# KiCad board chassis v2 primary board.kicad_pcb
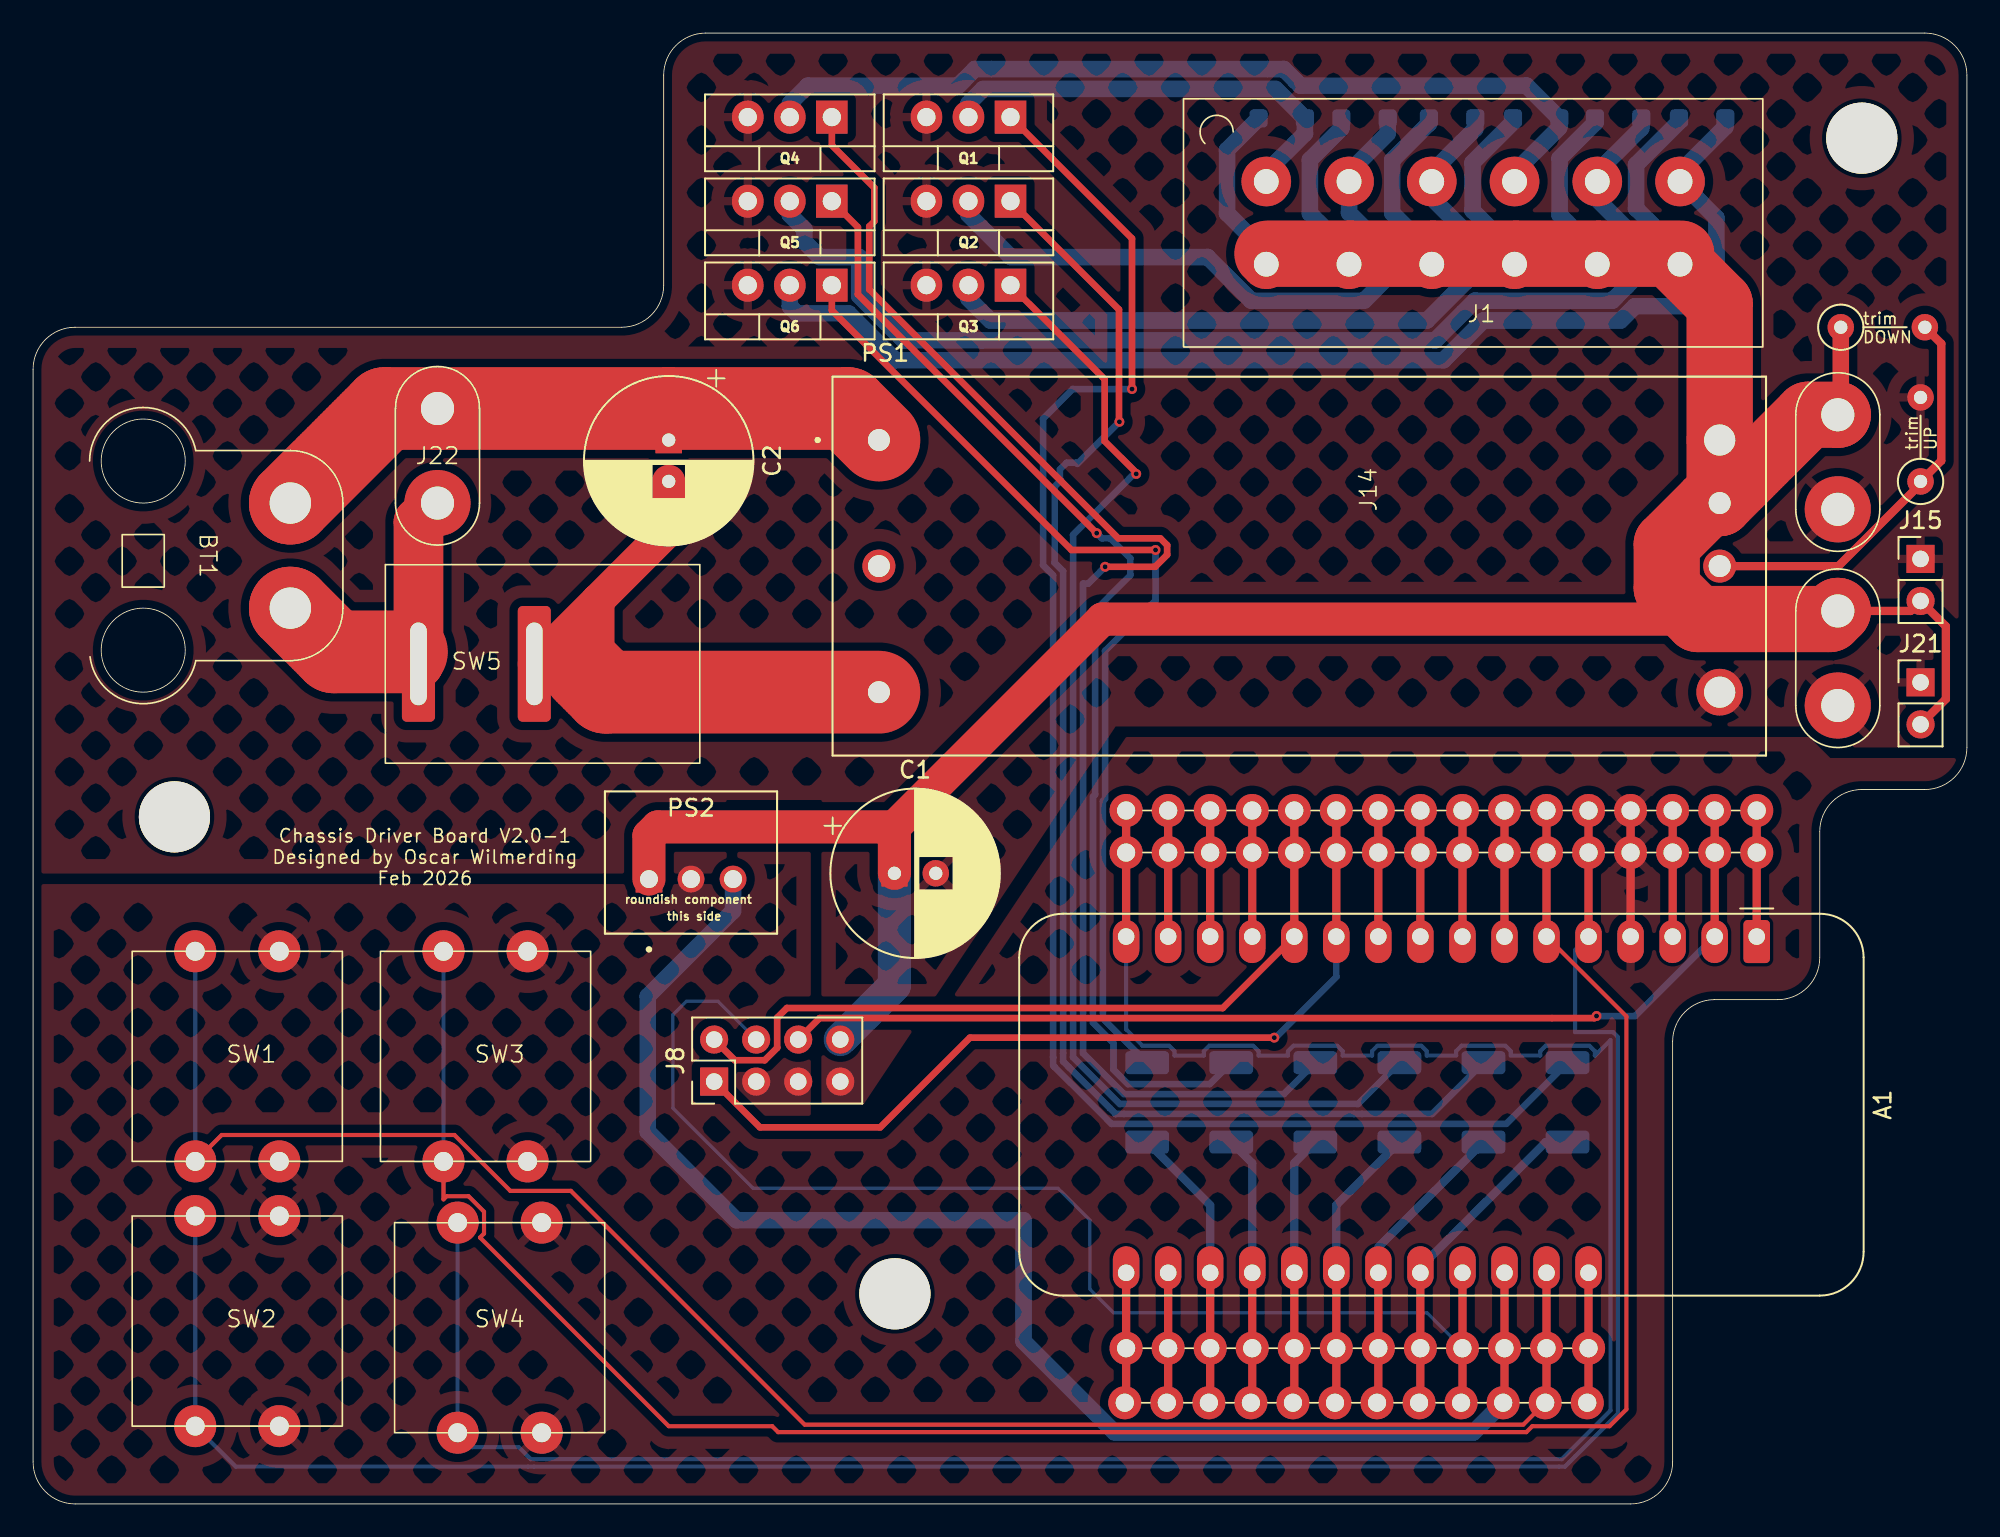
[diagram p0: board, top side]
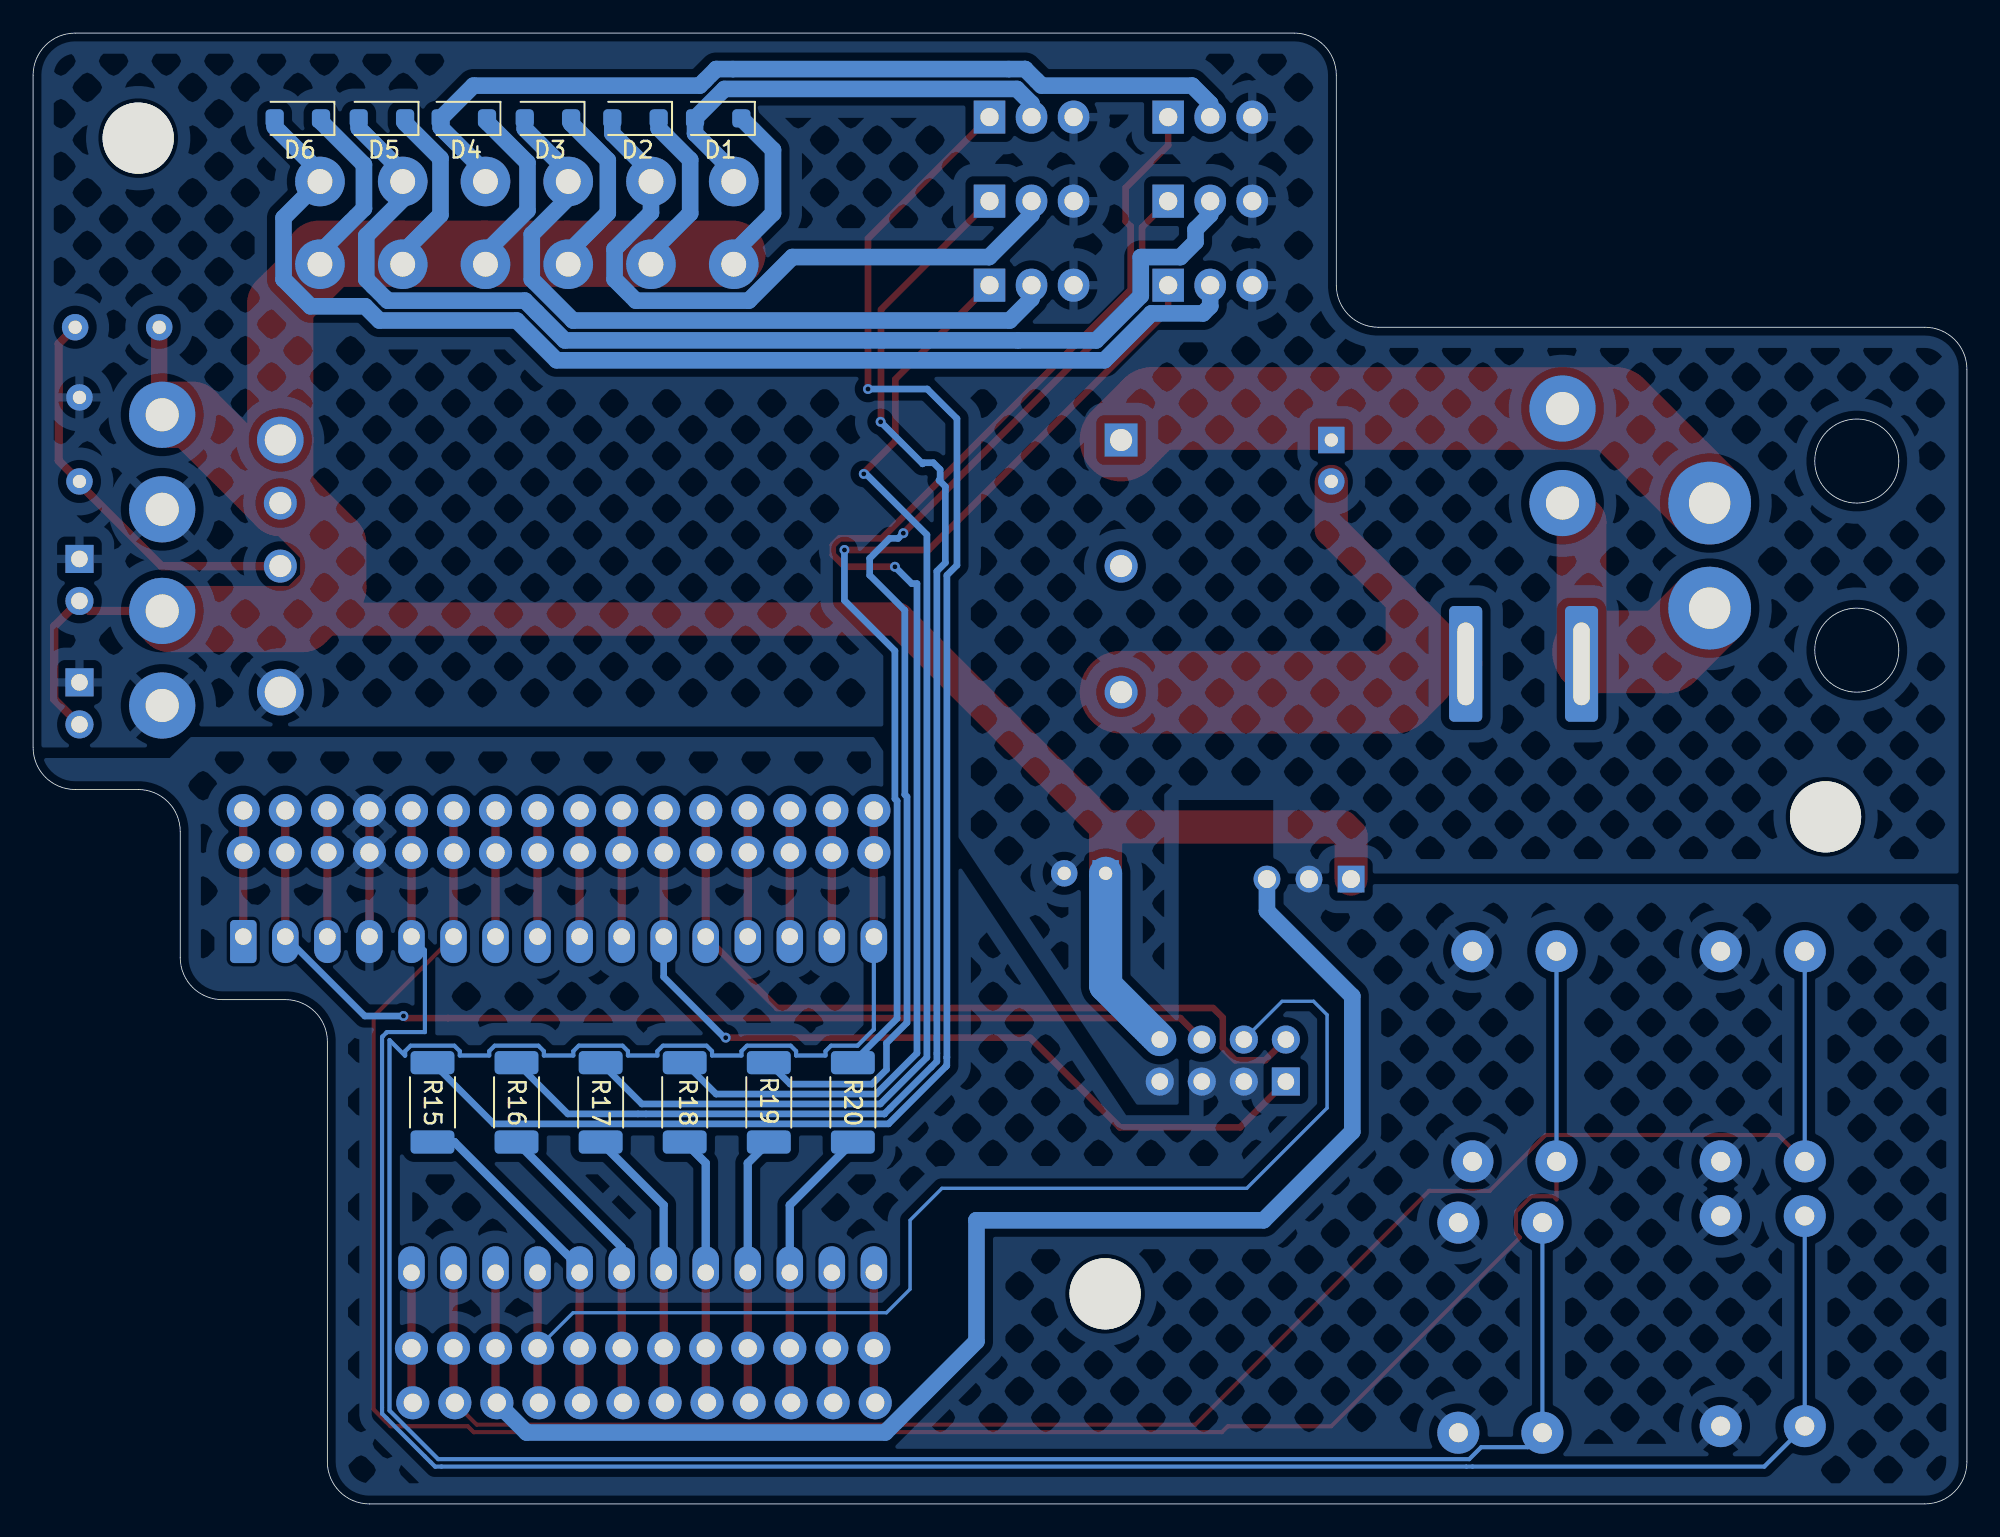
[diagram p1: board, bottom side, seen from below]

Outline 116.84 x 88.9 mm; copper layers: Top, Bottom. Coordinates in mm from the lower left corner of the outline.
Outline path: 0,68.58 0,2.54 arc(0.74,0.74) 2.54,0 96.52,0 arc(98.32,0.74) 99.06,2.54 99.06,27.94 arc(99.8,29.74) 101.6,30.48 105.41,30.48 arc(107.21,31.22) 107.95,33.02 107.95,40.64 arc(108.69,42.44) 110.49,43.18 114.3,43.18 arc(116.1,43.92) 116.84,45.72 116.84,86.36 arc(116.1,88.16) 114.3,88.9 40.64,88.9 arc(38.84,88.16) 38.1,86.36 38.1,73.66 arc(37.36,71.86) 35.56,71.12 2.54,71.12 arc(0.74,70.38) 0,68.58

## Placement (name value [footprint] x y rotation side)
A1  Adafruit_Feather_Generic  [Adafruit_Feather_new]  104.14 34.29 270 top
BT1  Battery_Cell  [Battery pigtail]  22.53 57.32 270 top
C1  470uf  [CP_Radial_D10.0mm_P2.50mm]  52.04 38.12 0 top
C2  470uf  [CP_Radial_D10.0mm_P2.50mm]  38.4 64.3 270 top
D1  D  [D_SOD-123F]  75.44 83.75 0 bottom
D2  D  [D_SOD-123F]  80.44 83.75 0 bottom
D3  D  [D_SOD-123F]  85.73 83.75 0 bottom
D4  D  [D_SOD-123F]  90.81 83.75 0 bottom
D5  D  [D_SOD-123F]  95.76 83.75 0 bottom
D6  D  [D_SOD-123F]  100.84 83.75 0 bottom
G***  LOGO  [fireman]  191.16 57.79 270 bottom
H1  MountingHole  [MountingHole_4.3mm_M4]  52.07 12.7 0 top
H2  MountingHole  [MountingHole_4.3mm_M4]  8.54 41.53 0 top
H4  MountingHole  [MountingHole_4.3mm_M4]  110.49 82.55 0 top
J1  Conn_02x06_Odd_Even  [02x06 top mount connector]  74.51 84.93 0 top
J8  Conn_02x04_Odd_Even  [PinHeader_2x04_P2.54mm_Vertical]  41.15 25.53 90 top
J14  Conn_01x02  [alternate battery connection]  102.06 51.43 90 top
J15  Conn_01x02  [PinHeader_1x02_P2.54mm_Vertical]  114.04 57.12 0 top
J16  microcontroller extension headers  [thing pin breakout 1x16]  60.96 39.37 90 top
J17  Microcontroller extension header  [thing breakout 1x12]  61.47 9.66 90 top
J18  Conn_01x02  [alternate battery connection]  102.06 63.29 90 top
J19  microcontroller extension headers  [thing pin breakout 1x16]  60.96 41.91 90 top
J20  Microcontroller extension header  [thing breakout 1x12]  61.39 6.37 90 top
J21  Conn_01x02  [PinHeader_1x02_P2.54mm_Vertical]  114.04 49.66 0 top
J22  Conn_01x02  [alternate battery connection]  31.42 63.03 270 top
PS1  RPMGE12-10  [CONV_RPMGE12-10]  76.5 56.68 0 top
PS2  OKI-78SR-5_1.5-W36-C  [CONV_OKI-78SR-5_1.5-W36-C]  39.75 37.77 0 top
Q1  NMOS  [TO-220-3_Vertical modified]  59.06 83.82 180 top
Q2  NMOS  [TO-220-3_Vertical modified]  59.06 78.74 180 top
Q3  NMOS  [TO-220-3_Vertical modified]  59.06 73.66 180 top
Q4  NMOS  [TO-220-3_Vertical modified]  48.26 83.82 180 top
Q5  NMOS  [TO-220-3_Vertical modified]  48.26 78.74 180 top
Q6  NMOS  [TO-220-3_Vertical modified]  48.26 73.66 180 top
R14  R  [R_Axial_DIN0207_L6.3mm_D2.5mm_P5.08mm_Vertical]  114.04 61.8 90 top
R15  220  [R_2010_5025Metric_Pad1.40x2.65mm_HandSolder]  92.71 24.27 270 bottom
R16  220  [R_2010_5025Metric_Pad1.40x2.65mm_HandSolder]  87.63 24.27 270 bottom
R17  220  [R_2010_5025Metric_Pad1.40x2.65mm_HandSolder]  82.55 24.27 270 bottom
R18  220  [R_2010_5025Metric_Pad1.40x2.65mm_HandSolder]  77.47 24.27 270 bottom
R19  220  [R_2010_5025Metric_Pad1.40x2.65mm_HandSolder]  72.39 24.27 270 bottom
R20  220  [R_2010_5025Metric_Pad1.40x2.65mm_HandSolder]  67.31 24.27 270 bottom
R21  R  [R_Axial_DIN0207_L6.3mm_D2.5mm_P5.08mm_Vertical]  109.22 71.12 0 top
SW1  SW_Push  [adafruit colorful button]  12.34 41.02 0 top
SW2  SW_Push  [adafruit colorful button]  12.34 25.02 0 top
SW3  SW_Push  [adafruit colorful button]  27.34 41.02 0 top
SW4  SW_Push  [adafruit colorful button]  28.19 24.62 0 top
SW5  SW_Push  [strong switch]  28.28 60.77 0 top

## Library data of the parts
A1 = -: Datasheet: https://cdn-learn.adafruit.com/downloads/pdf/adafruit-feather.pdf; Description: Microcontroller module in various flavor, generic symbol; ki_fp_filters: Adafruit*Feather*
BT1 = -: Description: Single-cell battery
C1 C2 = -: Description: Unpolarized capacitor; ki_fp_filters: C_*
D1-D6 = -: Description: Diode; Sim.Pins: 1=K 2=A; ki_fp_filters: TO-???* *_Diode_* *SingleDiode* D_*
H1 H2 H4 = -: Description: Mounting Hole without connection; ki_fp_filters: MountingHole*
J1 = -: Description: Generic connector, double row, 02x06, odd/even pin numbering scheme (row 1 odd numbers, row 2 even numbers), script generated (kicad-library-utils/schlib/autogen/connector/); ki_fp_filters: Connector*:*_2x??_*
J8 = -: Description: Generic connector, double row, 02x04, odd/even pin numbering scheme (row 1 odd numbers, row 2 even numbers), script generated (kicad-library-utils/schlib/autogen/connector/); ki_fp_filters: Connector*:*_2x??_*
J14 J15 J18 J21 J22 = -: Description: Generic connector, single row, 01x02, script generated (kicad-library-utils/schlib/autogen/connector/); ki_fp_filters: Connector*:*_1x??_*
J16 J19 = -: Description: Generic connector, single row, 01x16, script generated; ki_fp_filters: Connector*:*_1x??_*
J17 J20 = -: Description: Generic connector, single row, 01x12, script generated; ki_fp_filters: Connector*:*_1x??_*
PS1 = -: MF: Recom Power; MAXIMUM_PACKAGE_HEIGHT: 12.5mm; Package: None; Price: None; Check_prices: https://www.snapeda.com/parts/RPMGE12-10/Recom+Power/view-part/?ref=eda; STANDARD: Manufacturer Recommendations; PARTREV: PRELIMINARY; SnapEDA_Link: https://www.snapeda.com/parts/RPMGE12-10/Recom+Power/view-part/?ref=snap; Description_1: 10A DC/DC-Converter 'INNOLINE' 1/8 Brick OF reg; Availability: In Stock; MANUFACTURER: Recom Power
PS2 = -: MF: Murata Power Solutions; MAXIMUM_PACKAGE_HEIGHT: 16.5mm; CREATOR: NEZY; Price: None; Package: None; Check_prices: https://www.snapeda.com/parts/OKI-78SR-5/1.5-W36-C/Murata/view-part/?ref=eda; STANDARD: Manufacturer Recommendations; PARTREV: N/A; SnapEDA_Link: https://www.snapeda.com/parts/OKI-78SR-5/1.5-W36-C/Murata/view-part/?ref=snap; MP: OKI-78SR-5/1.5-W36-C; Description_1: Linear Regulator Replacement DC DC Converter 1 Output 5V - - - 1.5A 7V - 36V Input; Availability: In Stock; MANUFACTURER: Murata Power Solutions Inc.
Q1-Q6 = -: Datasheet: https://ngspice.sourceforge.io/docs/ngspice-html-manual/manual.xhtml#cha_MOSFETs; Description: N-MOSFET transistor, drain/source/gate; Sim.Type: VDMOS; Sim.Pins: 1=D 2=G 3=S
R14-R21 = -: Description: Resistor; ki_fp_filters: R_*
SW1-SW5 = -: Description: Push button switch, generic, two pins

## Footprints (pads in the part's own frame, mm; a bottom-side part is the same pattern mirrored in y, then rotated)
02x06 top mount connector
  round 3 hole 1.5: 1(0,-5) 2(0,-10) 3(5,-5) 4(5,-10) 5(10,-5) 6(10,-10) 7(15,-5) 8(15,-10) 9(20,-5) 10(20,-10) 11(25,-5) 12(25,-10)
adafruit colorful button
  round 2.54 hole 1.15: 1(-2.54,-7.62) 1(-2.54,-20.32) 2(2.54,-7.62) 2(2.54,-20.32)
Adafruit_Feather_new
  rrect 2.6x1.6 hole 1: 1(0,0)
  oval 2.6x1.6 hole 1: 2(0,-2.54) 3(0,-5.08) 4(0,-7.62) 5(0,-10.16) 6(0,-12.7) 7(0,-15.24) 8(0,-17.78) 9(0,-20.32) 10(0,-22.86) 11(0,-25.4) 12(0,-27.94) 13(0,-30.48) 14(0,-33.02) 15(0,-35.56) 16(0,-38.1) 17(20.32,-38.1) 18(20.32,-35.56) 19(20.32,-33.02) 20(20.32,-30.48) 21(20.32,-27.94) 22(20.32,-25.4) 23(20.32,-22.86) 24(20.32,-20.32) 25(20.32,-17.78) 26(20.32,-15.24) 27(20.32,-12.7) 28(20.32,-10.16)
alternate battery connection
  round 4 hole 2: 1(-3.175,-6.985) 2(2.54,-6.985)
Battery pigtail
  round 5 hole 2.5: 1(-3.175,-6.985) 2(3.175,-6.985)
CONV_OKI-78SR-5_1.5-W36-C
  rect 1.62x1.62 hole 1.08: 1(-2.54,0)
  round 1.62 hole 1.08: 2(0,0) 3(2.54,0)
CONV_RPMGE12-10
  rect 1.995x1.995 hole 1.33: 1(-25.4,7.62)
  round 1.995 hole 1.33: 2(-25.4,0) 3(-25.4,-7.62) 5(25.4,0) 6(25.4,3.81)
  round 2.82 hole 1.88: 4(25.4,-7.62) 7(25.4,7.62)
CP_Radial_D10.0mm_P2.50mm
  rect 1.6x1.6 hole 0.8: 1(0,0)
  round 1.6 hole 0.8: 2(2.5,0)
D_SOD-123F
  rrect 1.1x1.1 smd: 1(-1.4,0) 2(1.4,0)
MountingHole_4.3mm_M4
  round 4.3 hole 4.3 unplated: (0,0)
PinHeader_1x02_P2.54mm_Vertical
  rect 1.7x1.7 hole 1: 1(0,0)
  oval 1.7x1.7 hole 1: 2(0,-2.54)
PinHeader_2x04_P2.54mm_Vertical
  rect 1.7x1.7 hole 1: 1(0,0)
  oval 1.7x1.7 hole 1: 2(2.54,0) 3(0,-2.54) 4(2.54,-2.54) 5(0,-5.08) 6(2.54,-5.08) 7(0,-7.62) 8(2.54,-7.62)
R_2010_5025Metric_Pad1.40x2.65mm_HandSolder
  rrect 1.4x2.65 smd: 1(-2.4,0) 2(2.4,0)
R_Axial_DIN0207_L6.3mm_D2.5mm_P5.08mm_Vertical
  round 1.6 hole 0.8: 1(0,0)
  oval 1.6x1.6 hole 0.8: 2(5.08,0)
strong switch
  rrect 2x7 hole 1x5: 1(-5,-10) 2(2,-10)
thing breakout 1x12
  round 2 hole 1.1: 17(-0.254,-4.572) 18(-0.254,-7.112) 19(-0.254,-9.652) 20(-0.254,-12.192) 21(-0.254,-14.732) 22(-0.254,-17.272) 23(-0.254,-19.812) 24(-0.254,-22.352) 25(-0.254,-24.892) 26(-0.254,-27.432) 27(-0.254,-29.972) 28(-0.254,-32.512)
thing pin breakout 1x16
  round 2 hole 1.1: 1(0,-43.18) 2(0,-40.64) 3(0,-38.1) 4(0,-35.56) 5(0,-33.02) 6(0,-30.48) 7(0,-27.94) 8(0,-25.4) 9(0,-22.86) 10(0,-20.32) 11(0,-17.78) 12(0,-15.24) 13(0,-12.7) 14(0,-10.16) 15(0,-7.62) 16(0,-5.08)
TO-220-3_Vertical modified
  rect 1.905x2 hole 1.1: 1(0,0)
  oval 1.905x2 hole 1.1: 2(2.54,0) 3(5.08,0)

## Nets
+12V: C1.1 D1.1 D2.1 D3.1 D4.1 D5.1 D6.1 J1.2 J1.4 J1.6 J1.8 J1.10 J1.12 J8.8 J14.2 J15.2 J18.2 J21.2 PS1.6 PS1.7 PS2.1 R21.1
GND: A1.4 C1.2 J8.3 J8.5 J8.7 J14.1 J15.1 J16.4 J18.1 J19.4 J21.1 PS1.4 PS2.2 Q1.3 Q2.3 Q3.3 Q4.3 Q5.3 Q6.3 R14.2 SW1.2 SW2.2 SW3.2 SW4.2
HV 1: A1.24 J17.24 J20.24 R15.2
HV 2: A1.23 J17.23 J20.23 R16.2
HV 3: A1.22 J17.22 J20.22 R17.2
HV 4: A1.21 J17.21 J20.21 R18.2
HV 5: A1.20 J17.20 J20.20 R19.2
HV 6: A1.19 J17.19 J20.19 R20.2
p1: A1.1 J16.1 J19.1
p2: A1.2 J8.6 J16.2 J19.2
p3: A1.3 J16.3 J19.3
p5: A1.5 J16.5 J19.5 SW2.1
p6: A1.6 J16.6 J19.6 SW3.1
p7: A1.7 J16.7 J19.7
p8: A1.8 J16.8 J19.8
p9: A1.9 J16.9 J19.9
p10: A1.10 J16.10 J19.10
p11: A1.11 J8.1 J16.11 J19.11
p12: A1.12 J8.2 J16.12 J19.12
p13: A1.13 J16.13 J19.13
p14: A1.14 J16.14 J19.14
p15: A1.15 J16.15 J19.15
p16: A1.16 J16.16 J19.16 SW4.1
p17: A1.17 J17.17 J20.17
p18: A1.18 J17.18 J20.18
p25: A1.25 J8.4 J17.25 J20.25
p26: A1.26 J17.26 J20.26 PS2.3
p27: A1.27 J17.27 J20.27 SW1.1
p28: A1.28 J17.28 J20.28
Net-(BT1-+): BT1.1 C2.1 J22.1 PS1.1
Net-(BT1--): BT1.2 J22.2 SW5.1
Net-(D1-A): D1.2 J1.1 Q1.2
Net-(D2-A): D2.2 J1.3 Q2.2
Net-(D3-A): D3.2 J1.5 Q3.2
Net-(D4-A): D4.2 J1.7 Q4.2
Net-(D5-A): D5.2 J1.9 Q5.2
Net-(D6-A): D6.2 J1.11 Q6.2
Net-(PS1--VIN): C2.2 PS1.3 SW5.2
Net-(PS1-TRIM): PS1.5 R14.1 R21.2
Net-(Q1-G): Q1.1 R15.1
Net-(Q2-G): Q2.1 R16.1
Net-(Q3-G): Q3.1 R17.1
Net-(Q4-G): Q4.1 R18.1
Net-(Q5-G): Q5.1 R19.1
Net-(Q6-G): Q6.1 R20.1

Pads without a net: PS1 2

## Via types
v1: diameter 0.6, hole 0.3, Top to Bottom, 8 vias

## Routing (per net, layer and track width the routed paths; a pad name or vN(x,y) marks a point on that pad's centre or on a via; arc(x,y) is an arc through that point)
+12V: length 233.7
  Top w0.5: J14.2 113.44,53.97 J15.2 115.57,53.05 115.57,48.65 J21.2
  Top w1: R21.1 109.22,66.01 J18.2
  Top w2: PS2.1 37.21,40.39 37.74,40.92 52.04,40.92 ; 52.04,40.92 64.61,53.48 100.58,53.48 ; 52.04,40.92 C1.1
  Top w4: PS1.6 PS1.7 101.9,72.53 J1.12 ; PS1.6 101.19,60.49 98.7,58.01 98.7,55.36 100.58,53.48 108.55,53.48 J14.2 ; PS1.6 107.24,65.83 J18.2 ; 74.58,75.57 99.58,75.57
  Bottom w1: D2.1 79.04,83.14 77.14,81.24 77.14,78.01 79.58,75.57 ; 74.58,75.57 72.14,78.01 72.14,81.84 D1.1 ; D5.1 94.36,83.46 92.23,81.33 92.23,77.92 94.58,75.57 ; 84.58,75.57 82.12,78.03 82.12,81.22 84.33,83.43 D3.1 ; 99.58,75.57 96.85,78.29 96.85,80.95 99.44,83.54 D6.1 ; D4.1 89.41,83.51 86.97,81.07 86.97,78.18 89.58,75.57
  Bottom w2: 48.77,28.07 52.04,31.34 C1.1
GND: length 7.6
  Top w0.5: J19.4 J16.4 A1.4
HV 1: length 19.6
  Top w0.5: A1.24 J17.24 83.82,6.35
  Bottom w0.5: R15.2 91.39,21.87 83.82,14.3
HV 2: length 18.1
  Top w0.5: A1.23 J17.23 81.28,6.35
  Bottom w0.5: A1.23 81.28,15.52 R16.2
HV 3: length 17.1
  Top w0.5: 78.74,6.35 J17.22 A1.22
  Bottom w0.5: A1.22 78.74,18.06 R17.2
HV 4: length 16
  Top w0.5: A1.21 J17.21 76.2,6.35
  Bottom w0.5: A1.21 76.2,20.6 R18.2
HV 5: length 16
  Top w0.5: 73.66,6.35 J17.20 A1.20
  Bottom w0.5: R19.2 73.66,20.6 A1.20
HV 6: length 17.1
  Top w0.5: 71.12,6.35 J17.19 A1.19
  Bottom w0.5: R20.2 71.12,18.06 A1.19
p1: length 7.6
  Top w0.5: A1.1 J16.1 J19.1
p2: length 65.6
  Top w0.4: v1(94.46,29.49) 94.34,29.36 47.52,29.36 46.23,28.07
  Top w0.5: J19.2 J16.2 A1.2
  Bottom w0.4: A1.2 96.8,29.49 v1(94.46,29.49)
p3: length 7.6
  Top w0.5: A1.3 J16.3 J19.3
p5: length 140.2
  Top w0.5: A1.5 J16.5 J19.5
  Bottom w0.25: A1.5 93.17,33.48 93.17,28.52 95.46,28.52 95.76,28.22 95.76,5.46 92.55,2.26 12.24,2.26 SW2.1 SW2.1
p6: length 132.5
  Top w0.25: A1.6 96.27,29.47 96.27,5.72 95.25,4.7 90.58,4.7 90.22,4.34 45.01,4.34 44.65,4.7 38.4,4.7 27,16.1 27.24,16.34 27.24,17.66 26.31,18.6 24.99,18.6 24.8,18.41 SW3.1
  Top w0.5: J19.6 J16.6 A1.6
  Bottom w0.25: SW3.1 SW3.1
p7: length 7.6
  Top w0.5: A1.7 J16.7 J19.7
p8: length 7.6
  Top w0.5: J19.8 J16.8 A1.8
p9: length 7.6
  Top w0.5: A1.9 J16.9 J19.9
p10: length 7.6
  Top w0.5: J19.10 J16.10 A1.10
p11: length 52.6
  Top w0.4: v1(74.99,28.18) 56.6,28.18 51.18,22.76 43.92,22.76 J8.1
  Top w0.5: A1.11 J16.11 J19.11
  Bottom w0.4: v1(74.99,28.18) 75.07,28.18 78.74,31.85 A1.11
p12: length 47.4
  Top w0.4: A1.12 71.88,29.97 45.54,29.97 44.96,29.39 44.96,27.57 44.21,26.82 42.4,26.82 41.15,28.07
  Top w0.5: A1.12 J16.12 J19.12
p13: length 7.6
  Top w0.5: J19.13 J16.13 A1.13
p14: length 7.6
  Top w0.5: J19.14 J16.14 A1.14
p15: length 7.6
  Top w0.5: A1.15 J16.15 J19.15
p16: length 154.3
  Top w0.5: A1.16 J16.16 J19.16
  Bottom w0.25: A1.16 66.04,28.68 67.03,27.7 68.63,27.7 68.96,27.36 68.96,27.1 70.74,27.1 70.74,27.37 71.07,27.7 73.71,27.7 74.04,27.37 74.04,27.1 75.82,27.1 75.82,27.37 76.15,27.7 78.79,27.7 79.12,27.37 79.12,27.1 80.9,27.1 80.9,27.37 81.23,27.7 83.87,27.7 84.2,27.37 84.2,27.1 85.98,27.1 85.98,27.37 86.31,27.7 88.95,27.7 89.28,27.37 89.28,27.1 91.06,27.1 91.06,27.37 91.39,27.7 94.03,27.7 94.36,27.37 94.36,27.1 94.38,27.1 95.31,28.03 95.31,5.65 92.37,2.71 30.07,2.71 29.34,3.43 26.52,3.43 SW4.1 SW4.1
p17: length 7.6
  Top w0.5: A1.17 J17.17 66.04,6.35
p18: length 7.6
  Top w0.5: A1.18 J17.18 68.58,6.35
p25: length 75.7
  Top w0.5: 86.36,6.35 J17.25 A1.25
  Bottom w0.2: J17.25 84.21,11.56 65.28,11.56 63.86,12.98 63.86,17.15 61.93,19.08 43.51,19.08 38.66,23.93 38.66,29.57 39.47,30.38 41.38,30.38 43.69,28.07
p26: length 89.3
  Top w0.5: 88.9,6.35 J17.26 A1.26
  Bottom w1: J20.26 87.02,4.32 65.35,4.32 59.84,9.83 59.84,17.15 42.49,17.15 37.13,22.5 37.13,30.68 42.29,35.84 PS2.3
p27: length 110.3
  Top w0.25: SW1.1 11.39,22.3 25.46,22.3 28.83,18.92 32.49,18.92 46.62,4.79 90.03,4.79 J20.27
  Top w0.5: A1.27 J17.27 91.44,6.35
  Bottom w0.25: SW1.1 SW1.1
p28: length 7.6
  Top w0.5: A1.28 J17.28 93.98,6.35
Net-(BT1-+): length 40.6
  Top w1: C2.1 38.4,66.21
  Top w5: PS1.1 49.2,66.21 J22.1 21.26,66.21 BT1.1
Net-(BT1--): length 19.3
  Top w3: J22.2 23.28,59.34 SW5.1 22.55,51.5
  Top w5: 22.55,51.5 18.18,51.5 BT1.2
Net-(D1-A): length 26.4
  Bottom w1: 56.51,83.82 56.51,84.64 57.4,85.52 75.07,85.52 D1.2 76.84,82.83 74.58,80.57
Net-(D2-A): length 39.6
  Bottom w1: 56.51,78.74 56.51,77.93 59.08,75.36 70.96,75.36 73.6,72.73 80.42,72.73 81.71,74.02 81.71,75.84 79.51,78.04 J1.3 ; D2.2 81.84,82.83 79.58,80.57
Net-(D3-A): length 43.6
  Bottom w1: J1.5 84.51,78.94 86.71,76.74 86.71,74.02 84.22,71.53 57.83,71.53 56.51,72.85 56.51,73.66 ; 84.58,80.57 87.13,83.12 D3.2
Net-(D4-A): length 53.7
  Bottom w1: Q4.2 45.72,84.63 46.81,85.73 55.9,85.73 56.9,86.72 57.9,86.72 74.57,86.72 75.56,86.72 76.56,85.73 90.23,85.73 D4.2 92.22,83.2 89.58,80.57
Net-(D5-A): length 69.4
  Bottom w1: 94.58,80.57 97.16,83.15 D5.2 ; Q5.2 45.72,77.93 46.61,77.04 46.61,76.28 47.52,75.36 49.91,75.36 49.91,73.02 52.61,70.33 84.72,70.33 87.12,72.73 95.42,72.73 96.71,74.02 96.71,76.65 94.51,78.85 J1.9
Net-(D6-A): length 71.7
  Bottom w1: 99.58,80.57 102.25,83.23 D6.2 ; Q6.2 45.72,72.39 46.15,71.96 49.28,71.96 52.11,69.13 85.21,69.13 87.62,71.53 95.92,71.53 96.78,72.39 100.08,72.39 101.71,74.02 101.71,77.73 J1.11
Net-(PS1--VIN): length 37.3
  Top w2: 34.12,54.61 34.12,51.13 33.32,50.33 ; 34.12,54.61 SW5.2 ; 34.12,54.61 38.4,58.89 C2.2
  Top w5: PS1.3 34.59,49.06 33.32,50.33
Net-(PS1-TRIM): length 24.4
  Top w0.5: R21.2 115.29,70.13 115.29,63.05 R14.1 ; PS1.5 109.07,56.68 114.04,61.65
Net-(Q1-G): length 99
  Top w0.4: v1(66.4,67.39) 66.4,76.48 Q1.1
  Bottom w0.4: R15.1 89.01,22.97 65.16,22.97 61.72,26.41 61.63,26.49 61.63,26.99 61.63,27 61.63,56.13 61.02,56.74 61.02,65.59 62.81,67.39 v1(66.4,67.39)
Net-(Q2-G): length 85.1
  Top w0.4: Q2.1 65.61,72.19 65.61,65.43 v1(65.63,65.41)
  Bottom w0.4: R16.1 84.53,23.57 65.41,23.57 62.23,26.74 62.23,56.37 61.72,56.89 61.72,61.49 62.1,61.87 62.04,61.94 62.04,62.52 62.45,62.93 63.03,62.93 63.09,62.87 v1(65.63,65.41)
Net-(Q3-G): length 73.4
  Top w0.4: Q3.1 64.74,67.97 64.74,64.24 66.65,62.33 v1(66.65,62.26)
  Bottom w0.4: R17.1 80.05,24.17 65.65,24.17 62.84,26.99 62.84,58.58 66.52,62.26 v1(66.65,62.26)
Net-(Q4-G): length 86.6
  Top w0.4: v1(64.77,56.64) 67.79,56.64 68.52,57.37 68.52,57.95 68.11,58.36 65.57,58.36 50.52,73.41 50.52,77.22 50.83,77.52 50.83,79.55 48.26,82.12 Q4.1
  Bottom w0.4: v1(64.77,56.64) 63.75,55.63 63.44,55.63 63.44,27.24 65.9,24.77 75.57,24.77 R18.1
Net-(Q5-G): length 69.7
  Top w0.4: v1(64.26,58.67) 49.83,73.1 49.83,77.17 Q5.1
  Bottom w0.4: v1(64.26,58.67) 64.58,58.36 65.08,58.36 66.29,57.15 66.29,56.13 64.17,54.01 64.17,42.87 64.04,42.74 64.04,29.09 65.28,27.85 65.28,26.25 66.15,25.38 71.09,25.38 R19.1
Net-(Q6-G): length 60.5
  Top w0.4: v1(67.82,57.66) 62.74,57.66 48.26,72.14 Q6.1
  Bottom w0.4: R20.1 64.64,29.34 64.64,42.49 64.77,42.62 64.77,51.56 67.82,54.61 v1(67.82,57.66)

## Copper pours and planes (outline as drawn; the poured copper is in the pictures)
GND on Top, Bottom: -3.81,38.1 41.91,38.1 41.91,42.55 47.62,42.55 47.62,24.13 50.16,24.13 65.41,46.99 107.95,46.99 109.22,45.72 120.01,45.72 120.01,97.16 -3.81,97.16
GND on Top, Bottom: -3.81,37.47 42.54,37.47 42.54,41.91 46.99,41.91 46.99,23.5 50.8,23.5 66.04,46.36 107.31,46.36 108.58,45.09 120.01,45.09 120.01,-2.54 -3.81,-2.54

## Text on the board
F.Silkscreen: trim / DOWN | trim / UP | Chassis Driver Board V2.0-1 / Designed by Oscar Wilmerding / Feb 2026
